# Altium PCB Monitor_Board.PcbDoc (part 1 of 5) (continued)
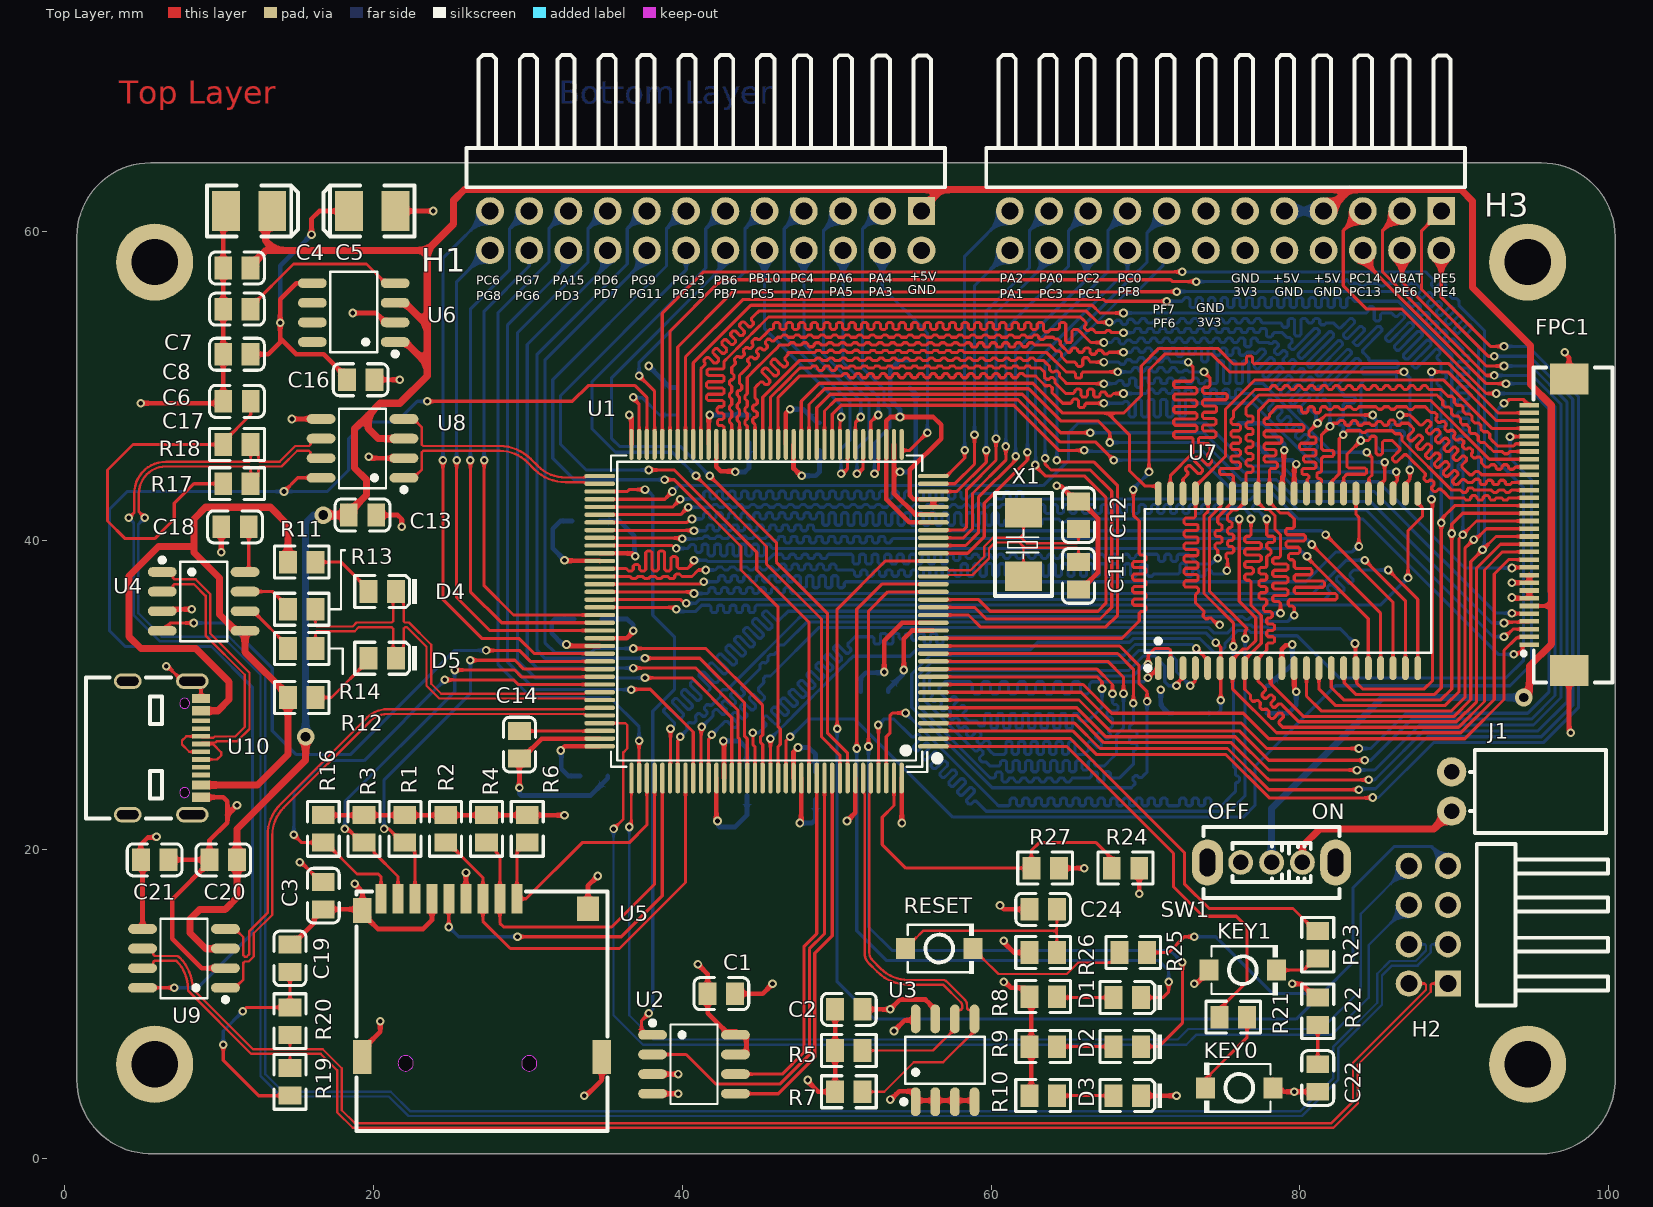
[diagram p0: Top Layer view]
## Footprints (in the part's own frame and the unit in brackets; to place one, negate y for a bottom-side part, rotate by r counter-clockwise, add the part's x,y. Pads: shape width x height; smd on the part's side, far side on the other; paste and mask are expansions set on the pad) (continued)
  oval 2x0.28 smd paste+0 mask+0.051: 37(10.8,-8.75) 38(10.8,-8.25) 39(10.8,-7.75) 40(10.8,-7.25) 41(10.8,-6.75) 42(10.8,-6.25) 43(10.8,-5.75) 44(10.8,-5.25) 45(10.8,-4.75) 46(10.8,-4.25) 47(10.8,-3.75) 48(10.8,-3.25) 49(10.8,-2.75) 50(10.8,-2.25) 51(10.8,-1.75) 52(10.8,-1.25) 53(10.8,-0.75) 54(10.8,-0.25) 55(10.8,0.25) 56(10.8,0.75) 57(10.8,1.25) 58(10.8,1.75) 59(10.8,2.25) 60(10.8,2.75) 61(10.8,3.25) 62(10.8,3.75) 63(10.8,4.25) 64(10.8,4.75) 65(10.8,5.25) 66(10.8,5.75) 67(10.8,6.25) 68(10.8,6.75) 69(10.8,7.25) 70(10.8,7.75) 71(10.8,8.25) 72(10.8,8.75) 109(-10.8,8.75) 110(-10.8,8.25) 111(-10.8,7.75) 112(-10.8,7.25) 113(-10.8,6.75) 114(-10.8,6.25) 115(-10.8,5.75) 116(-10.8,5.25) 117(-10.8,4.75) 118(-10.8,4.25) 119(-10.8,3.75) 120(-10.8,3.25) 121(-10.8,2.75) 122(-10.8,2.25) 123(-10.8,1.75) 124(-10.8,1.25) 125(-10.8,0.75) 126(-10.8,0.25) 127(-10.8,-0.25) 128(-10.8,-0.75) 129(-10.8,-1.25) 130(-10.8,-1.75) 131(-10.8,-2.25) 132(-10.8,-2.75) 133(-10.8,-3.25) 134(-10.8,-3.75) 135(-10.8,-4.25) 136(-10.8,-4.75) 137(-10.8,-5.25) 138(-10.8,-5.75) 139(-10.8,-6.25) 140(-10.8,-6.75) 141(-10.8,-7.25) 142(-10.8,-7.75) 143(-10.8,-8.25) 144(-10.8,-8.75)
  silkscreen extent -10.41,-11.25 10.08,10.08, body extent -11.03,-11.01 10.97,10.99, height 1.4
PM254-1-02-W-8.5 [mm] "2p 弯针"
  round 1.9 hole 1 paste+0 mask+0.05: 1(-1.257,4.793) 2(1.283,4.793)
  silkscreen extent -2.67,-5.21 2.69,3.61, body extent -2.75,-5.15 2.75,5, height 2.5
PZ254-2-04-W-8.5 [mm] "2.54mm 2x4p 弯针"
  rect 1.7x1.7 hole 1.1 paste+0 mask+0.05: 1(-3.279,2.359)
  round 1.7 hole 1.1 paste+0 mask+0.05: 2(-3.279,4.899) 3(-0.739,2.359) 4(-0.739,4.899) 5(1.801,2.359) 6(1.801,4.899) 7(4.341,2.359) 8(4.341,4.899)
  silkscreen extent -4.7,-8 5.76,0.5, body extent -4.57,-7.57 5.6,5.33, height 5
PZ254R-12-24P [mm] "2X12P 弯针"
  round 1.8 hole 1.1: 1(-13.716,-3.476) 2(-11.176,-3.476) 3(-8.636,-3.476) 4(-6.096,-3.476) 5(-3.556,-3.476) 6(-1.016,-3.476) 7(1.524,-3.476) 8(4.064,-3.476) 9(6.604,-3.476) 10(9.144,-3.476) 11(11.684,-3.476) 12(14.224,-3.476) 13(-13.716,-0.936) 14(-11.176,-0.936) 15(-8.636,-0.936) 16(-6.096,-0.936) 17(-3.556,-0.936) 18(-1.016,-0.936) 19(1.524,-0.936) 20(4.064,-0.936) 21(6.604,-0.936) 22(9.144,-0.936) 23(11.684,-0.936)
  rect 1.778x1.8 hole 1.1: 24(14.224,-0.936)
  silkscreen extent -15.24,0.6 15.75,9.17, body extent -15.09,-3.9 15.4,9, height 5
RT9193-33GB [mm] "5vת3v3-LDOоƬ"
  oval 0.63x1.865 smd: 1(-0.734,-2.878) 2(0.536,-2.878) 3(1.806,-2.878) 4(3.076,-2.878) 5(3.076,2.487) 6(1.806,2.487) 7(0.536,2.487)
  oval 0.63x1.865 smd mask+0.102: 8(-0.734,2.487)
  silkscreen extent -1.65,-3.03 3.81,1.33, body extent -1.19,-3.2 3.62,2.8, height 1.67
SS12D07VG3 [mm] "直插拨片开关"
  round 1.6 hole 1: 1(-3.2,0.014) 2(-1.2,0.014) 3(0.8,0.014)
  oval 2x3 hole 1 slot 1.8 at 90 deg: 4(2.95,0.014) 5(-5.35,0.014)
  silkscreen extent -5.6,-2.29 3.2,2.31, body extent -5.67,-2.43 3.13,2.17, height 8.7
SW-SMD_L3.9-W3.0-P4.45 [mm]
  rect 1.23x1.36 smd: 1(-2.185,0) 2(2.185,0)
  silkscreen extent -2.03,-1.62 2.25,1.62, body extent -2.4,-1.45 2.4,1.45, height 1.95
TF-SMD_MR01A-01211 [mm] "SD卡卡座"
  rect 0.7x1.9 smd paste+0 mask+0.051: 1(2.25,5.125) 2(1.15,5.125) 3(0.05,5.125) 4(-1.05,5.125) 5(-2.15,5.125) 6(-3.25,5.125) 7(-4.35,5.125) 8(-5.45,5.125) 9(-6.55,5.125)
  rect 1.2x1.6 smd paste+0 mask+0.051: 10(-7.75,4.375)
  rect 1.2x2.2 smd paste+0 mask+0.051: 11(-7.75,-5.125) 12(7.75,-5.125)
  rect 1.4x1.6 smd paste+0 mask+0.051: 13(6.85,4.475)
  Keep-Out Layer board cut-out: 3.55,-5.527 3.501,-5.31 3.362,-5.137 3.161,-5.04 2.939,-5.04 2.738,-5.137 2.6,-5.31 2.55,-5.527 2.55,-5.527 2.6,-5.744 2.738,-5.918 2.939,-6.015 3.161,-6.015 3.362,-5.918 3.501,-5.744 3.55,-5.527
  Keep-Out Layer board cut-out: -4.45,-5.525 -4.499,-5.308 -4.638,-5.134 -4.839,-5.037 -5.061,-5.037 -5.262,-5.134 -5.4,-5.308 -5.45,-5.525 -5.45,-5.525 -5.4,-5.742 -5.262,-5.916 -5.061,-6.012 -4.839,-6.012 -4.638,-5.916 -4.499,-5.742 -4.45,-5.525
  silkscreen extent -8.13,-9.91 8.13,5.59, body extent -8.13,-9.59 8.02,5.41, height 2.05
TJA1042 [mm]
  oval 0.63x1.865 smd: 1(-1.905,-2.682) 2(-0.635,-2.682) 3(0.635,-2.682) 4(1.905,-2.682) 5(1.905,2.682) 6(0.635,2.682) 7(-0.635,2.682) 8(-1.905,2.682)
  silkscreen extent -2.82,-2.83 2.58,1.52, body extent -2.39,-3 2.42,3, height 1.67
TYPE-C-31-M-14 [mm] "TYPE-C插头"
  oval 1x2.1 hole 0.6 slot 1.7 at 90 deg paste+0 mask+0.05: 1(-4.103,2.57) 4(4.537,2.57)
  oval 1x1.8 hole 0.6 slot 1.4 at 90 deg paste+0 mask+0.05: 2(-4.103,-1.61) 3(4.537,-1.61)
  rect 0.6x1.15 smd paste-100 mask+0.05: A1-B12(-2.983,3.134) A4-B9(-2.183,3.134) B1-A12(3.417,3.134) B4-A9(2.617,3.134)
  rect 0.3x1.15 smd paste-100 mask+0.051: A5(-1.033,3.134) A6(-0.033,3.134) A7(0.467,3.134) A8(1.467,3.134) B5(1.967,3.134) B6(0.967,3.134) B7(-0.533,3.134) B8(-1.533,3.134)
  Keep-Out Layer board cut-out: -2.348,2.069 -2.391,2.232 -2.51,2.351 -2.673,2.395 -2.835,2.351 -2.954,2.232 -2.998,2.07 -2.998,2.07 -2.966,1.929 -2.876,1.815 -2.745,1.753 -2.601,1.753 -2.47,1.815 -2.38,1.928 -2.348,2.069 -2.348,2.069
  Keep-Out Layer board cut-out: 3.432,2.069 3.389,2.232 3.27,2.351 3.107,2.395 2.945,2.351 2.826,2.232 2.782,2.07 2.782,2.07 2.814,1.929 2.904,1.815 3.035,1.753 3.179,1.753 3.31,1.815 3.4,1.928 3.432,2.069 3.432,2.069
  Multi-Layer pour cut-out: -2.348,2.069 -2.391,2.232 -2.51,2.351 -2.673,2.395 -2.835,2.351 -2.954,2.232 -2.998,2.07 -2.998,2.07 -2.966,1.929 -2.876,1.815 -2.745,1.753 -2.601,1.753 -2.47,1.815 -2.38,1.928 -2.348,2.069 -2.348,2.069
  Multi-Layer pour cut-out: 3.432,2.069 3.389,2.232 3.27,2.351 3.107,2.395 2.945,2.351 2.826,2.232 2.782,2.07 2.782,2.07 2.814,1.929 2.904,1.815 3.035,1.753 3.179,1.753 3.31,1.815 3.4,1.928 3.432,2.069 3.432,2.069
  silkscreen extent -4.35,-4.32 4.79,1.21, body extent -4.34,-4.06 4.6,3.84, height 3.2

## Part data
C1 C2 C3 C6 C7 C18 C22 C23 C24 C25 C26 C27 C28 C29 C30 C32 C33: library part "0805 100nF(104) 10% 50V", "贴片电容", Package=0805, SuppliersPartNumber=C49678, ComponentLink1Description=供应商链接, ComponentLink1URL=http://www.szlcsc.com/product/details_50686.html, Supplier=LC
C4 C5: library part "3528 100uF (107) 10% 6.3V", "钽电容", Package=3528, SuppliersPartNumber=C16133, ComponentLink1Description=供应商链接, ComponentLink1URL=http://www.szlcsc.com/product/details_16815.html, Supplier=LC
C8 C9 C10 C13 C16 C17 C19 C20 C21: library part "0805 22nF (223) 10% 50V", "贴片电容", Package=0805, SuppliersPartNumber=C1729, ComponentLink1Description=供应商链接, ComponentLink1URL=http://www.szlcsc.com/product/details_2081.html, Supplier=LC
C11 C12: library part "0805 22pF (220) 5% 50V", "贴片电容", Package=0805, SuppliersPartNumber=C1804, ComponentLink1Description=供应商链接, ComponentLink1URL=http://www.szlcsc.com/product/details_2156.html, Supplier=LC
C14 C15: library part "0805 2.2uF (225) 20% 50V", "贴片电容", Package=0805, SuppliersPartNumber=C49217, ComponentLink1Description=供应商链接, ComponentLink1URL=http://www.szlcsc.com/product/details_50225.html, Supplier=LC
D1 D4: library part "0805 红灯", "发光二极管", Package=0805, SuppliersPartNumber=C2295, ComponentLink1Description=供应商链接, ComponentLink1URL=http://www.szlcsc.com/product/details_2668.html, Supplier=LC
D2 D5: library part "0805 蓝灯", "发光二极管", Package=0805, SuppliersPartNumber=C2293, ComponentLink1Description=供应商链接, ComponentLink1URL=http://www.szlcsc.com/product/details_2666.html, Supplier=LC
D3: library part "0805 翠绿", "发光二极管", Package=0805, SuppliersPartNumber=C2297, ComponentLink1Description=供应商链接, ComponentLink1URL=http://www.szlcsc.com/product/details_2670.html, Supplier=LC
FPC1: JLCPCB Part Class="Extended Part", LCSC Part Name="32P 0.5mm", Manufacturer=XUNPU(讯普), Add into BOM=yes, Convert to PCB=yes, Device=FPC-05F-32PH20, Manufacturer Part=FPC-05F-32PH20, Name=#NAME?, Supplier=LCSC, Supplier Footprint=SMD, Supplier Part=C2856809, Symbol=FPC-05F-32PH20
H1 H3: "2X12P 弯针", Color=黑色, Current Rating (Max)=-, JLCPCB Part Class=扩展库, LCSC Part Name="间距:2.54mm 2x12P 弯插 方针", Manufacturer=XFCN(兴飞), Operating Temperature Range=-40℃~+105℃, Add into BOM=yes, Circluar Pins/Square Pins=方针, Contact Material=黄铜, Contact Plating=-, Convert to PCB=yes, Datasheet=https://atta.szlcsc.com/upload/public/pdf/source/20200309/C492440_7713BEBBF73A70D81BA4F83CA4F38610.pdf, Device=PZ254R-12-24P, Insulation Height=2.5mm, Length of Mating Pin=6mm, Manufacturer Part=PZ254R-12-24P, Mounting Type=弯插, Name=PZ254R-12-24P, Number of Pins=24P, Number of Rows=双排, Pin Structure=2x12P, Pitch=2.54mm, Row Spacing=2.54mm, Supplier=LCSC, Supplier Footprint=弯插,P=2.54mm, Supplier Part=C492440, Symbol=PZ254R-12-24P, Voltage Rating (Max)=-
H2: "2.54mm 2x4p 弯针", Color=黑色, Current Rating (Max)=3A, JLCPCB Part Class=扩展库, LCSC Part Name="2.54mm 2x4P 弯插 方针", Manufacturer=HCTL(华灿天禄), Operating Temperature Range=-40℃~+105℃, Voltage Rating (Max)=-, Add into BOM=yes, Circluar Pins/Square Pins=方针, Contact Material=-, Convert to PCB=yes, Device=PZ254-2-04-W-8.5, Insulation Height=2.5mm, Length of End Connection Pin=-, Length of Mating Pin=6mm, Manufacturer Part=PZ254-2-04-W-8.5, Mounting Type=弯插, Number of Pins=8, Number of Rows=2, Pin Structure=2x4P, Pitch=2.54mm, Row Spacing=2.54mm, Supplier=LCSC, Supplier Footprint=插件,P=2.54mm, Supplier Part=C2894984, Symbol=PZ254-2-04-W-8.5
J1: library part PM254-1-02-W-8.5, "2p弯针", Current Rating (Max)=3A, JLCPCB Part Class=扩展库, LCSC Part Name="间距:2.54mm 1x2P 弯插", Manufacturer=HCTL(华灿天禄), Operating Temperature Range=-40℃~+105℃, Voltage Rating (Max)=-, Add into BOM=yes, Circular Hole / Square Hole=方孔, Convert to PCB=yes, Datasheet=https://atta.szlcsc.com/upload/public/pdf/source/20230609/7BA40A3D721268A082DCDEAD4C99131B.pdf, Device=PM254-1-02-W-8.5, Holes Direction=侧面, Holes Structure=1x2P, Insulation Height=8.5mm, Manufacturer Part=PM254-1-02-W-8.5, Mounting Type=弯插, Number of Holes=2P, Number of Rows=单排, Pitch=2.54mm, Row Spacing=-, Supplier=LCSC, Supplier Footprint=弯插,P=2.54mm, Supplier Part=C2897384, Symbol=PM254-1-02-W-8.5
KEY0 KEY1 RESET: "轻触开关", Actuator/Cap Color=黑色, Contact Current=50mA, Insulation Resistance=100MΩ, JLCPCB Part Class="Extended Part", LCSC Part Name="4*3*2mm 立贴 轻触开关", Manufacturer=XUNPU(讯普), Operating Force=160gf, Operating Temperature=-30℃~+80℃, Voltage Rating (DC)=12V, Actuator Style=圆形按钮, Add into BOM=yes, Circuit=单刀单掷, Convert to PCB=yes, Datasheet=https://atta.szlcsc.com/upload/public/pdf/source/20200810/C720475_60D09DD6C54279ADDB2DC25100F1CC11.pdf, Device=TS-1088-AR02016, Manufacturer Part=TS-1088-AR02016, Mechanical Life=10万次, Mounting Style=立贴, Pin Style=SMD接片, Strike Gundam=不带, Supplier=LCSC, Supplier Footprint=SMD, Supplier Part=C720477, Switch Height=2mm, Switch Length=4mm, Switch Width=3mm, Symbol=TS-1088-AR02016
R1 R2 R3 R4 R6 R16: library part "0805 47KΩ (4702) 1%", "贴片电阻", Package=0805, SuppliersPartNumber=C17713, ComponentLink1Description=供应商链接, ComponentLink1URL=http://www.szlcsc.com/product/details_18401.html, Supplier=LC
R5 R7: library part "0805 4.7KΩ (4701) 1%", "贴片电阻", Package=0805, SuppliersPartNumber=C17673, ComponentLink1Description=供应商链接, ComponentLink1URL=http://www.szlcsc.com/product/details_18361.html, Supplier=LC
R8 R9 R10 R11 R12 R13 R14 R15 R21 R22 R23 R24 R25 R26 R27: library part "0805 510Ω (5100) 1%", "贴片电阻", Package=0805, SuppliersPartNumber=C17734, ComponentLink1Description=供应商链接, ComponentLink1URL=http://www.szlcsc.com/product/details_18422.html, Supplier=LC
R17 R18 R19 R20: library part "0805 120Ω (1200) 1%", "贴片电阻", Package=0805, SuppliersPartNumber=C17437, ComponentLink1Description=供应商链接, ComponentLink1URL=http://www.szlcsc.com/product/details_18125.html, Supplier=LC
SW1: "直插贴片开关", Actuator Color=-, Current Rating (DC)=500mA, JLCPCB Part Class=扩展库, Manufacturer="SHOU HAN(首韩)", Operating Temperature=-10℃~+50℃, Voltage Rating (DC)=50V, Actuator Style=-, Add into BOM=yes, Circuit=单刀双掷, Convert to PCB=yes, Current Rating (AC)=-, Datasheet=https://atta.szlcsc.com/upload/public/pdf/source/20220106/77EDD450BA7545A1F1665F035F54D3A4.pdf, Device="SS12D07VG3 087", LCSC Part Name="SS12D07VG3 087", Manufacturer Part="SS12D07VG3 087", Mechanical Life=5千次, Mounting Style=立插, Pin Style=PC引脚, Supplier=LCSC, Supplier Footprint=插件, Supplier Part=C2939725, Switch Height=4.7mm, Switch Length=8.7mm, Switch Width=4.4mm, Symbol="SS12D07VG3 087", Voltage Rating (AC)=-
U1: "STM32F407ZGT6MCU", JLCPCB Part Class="Extended Part", LCSC Part Name="ARM Cortex-M4 168MHz 闪存：1MB RAM：192KB", Manufacturer=ST(意法半导体), Maximum Frequency=168MHz, Operating Temperature Range=-40℃~+85℃, Supply Voltage Range=1.8V~3.6V, ADC (Units/Channels/bits)=1@x24ch/12bit, Add into BOM=yes, Convert to PCB=yes, CPU Core="ARM Cortex-M4", DAC (Units/Channels/bits)=1@x2ch/12bit, Datasheet=https://atta.szlcsc.com/upload/public/pdf/source/20140724/1457707162528.pdf, Device=STM32F407ZGT6, EEPROM/Data FLASH Size=-, GPIO Ports Number=114, Internal Oscillator=有, Manufacturer Part=STM32F407ZGT6, Name=STM32F407ZGT6, Peripherals / Functions / Protocol Stacks=欠压检测/复位；DMA；LCD驱动；看门狗；POR；PWM, Program FLASH Size=1MB, RAM Size=192KB, Supplier=LCSC, Supplier Footprint=LQFP-144(20x20), Supplier Part=C19156, Symbol=STM32F407ZGT6
U2: library part W25Q128JVSIQTR_[C97521], "Flash ROM", Package=SOIC-8, SuppliersPartNumber=C97521, ComponentLink1Description=供应商链接, ComponentLink1URL=https://item.szlcsc.com/98729.html, Supplier=LC
U3: library part EEPROM/AT24C256C-SSHL-T_[C6482], "EEPROM", Package=SOIC-8_150mil, SuppliersPartNumber=C6482, ComponentLink1Description=供应商链接, ComponentLink1URL=http://www.szlcsc.com/product/details_6947.html, Supplier=LC
U4: "TTL串口phy", Designer=U?, Device=CH340N_C2977777, Symbol=CH340N_C2977777
U5: JLCPCB Part Class="Extended Part", Manufacturer=ATOM(爱特姆), Operating Temperature Range=-25℃~+85℃, Add into BOM=yes, Card Connection Mode=自弹式, Card Type=MicroSD卡(TF卡), Connector Type=卡座, Convert to PCB=yes, Datasheet=https://atta.szlcsc.com/upload/public/pdf/source/20200107/C479742_0284EDD146B0D8F7A9D47B481AEA01A2.pdf, Device=MR01A-01211, LCSC Part Name=MR01A-01211, Manufacturer Part=MR01A-01211, Maximum Body Height=1.85mm, Name=#NAME?, Supplier=LCSC, Supplier Footprint=SMD, Supplier Part=C479742, Symbol=MR01A-01211
U7: library part XM8A51216V33A, "外接SRAM芯片"
U8 U9: JLCPCB Part Class="Extended Part", LCSC Part Name=TJA1042T, Manufacturer=Tokmas(托克马斯), Add into BOM=yes, Convert to PCB=yes, Datasheet=https://atta.szlcsc.com/upload/public/pdf/source/20230625/BF864921860ECC2FF6AF6AEDC281998F.pdf, Device=TJA1042T_C7432799, link=https://atta.szlcsc.com/upload/public/pdf/source/20230621/7AB02851301655B02FC6140105FC6246.pdf, Manufacturer Part=TJA1042T, Name=#NAME?, Supplier=LCSC, Supplier Footprint=SOP-8, Supplier Part=C7432799, Symbol=TJA1042T_C7432799
U10: library part TYPE-C-31-M-14_1, "type-c接口", JLCPCB Part Class="Extended Part", Manufacturer=韩国韩荣, Add into BOM=yes, Connector Type=Type-C, Convert to PCB=yes, Datasheet=https://atta.szlcsc.com/upload/public/pdf/source/20210810/33D192CE742AF71F47CC03F903000C62.pdf, Device=TYPE-C-31-M-14, Gender=母座, LCSC Part Name=TYPE-C-31-M-14, Manufacturer Part=TYPE-C-31-M-14, Name=#NAME?, Number of Contacts=12, Number of Ports=1, Standard=-, Supplier=LCSC, Supplier Footprint=SMD, Supplier Part=C223907, Symbol=TYPE-C-31-M-14
X1: library part X50328MSB2GI, "贴片晶振", Frequency Stability=±50ppm, Frequency Tolerance=±10ppm, LCSC Part Name="8MHz ±10ppm 20pF YSX530GA YSX530GA", Load Capacitance=20pF, Manufacturer=YXC(扬兴晶振), Operating Temperature=-40℃~+85℃, Add into BOM=yes, Convert to PCB=yes, Crystal Type=贴片无源晶振, Datasheet=https://atta.szlcsc.com/upload/public/pdf/source/20230220/0EBFFB9D6D8CE6A211407822BBB6C516.pdf, Device=X50328MSB2GI, Manufacturer Part=X50328MSB2GI, Name=8MHz, Supplier=LCSC, Supplier Footprint=SMD5032-2P, Supplier Part=C115962, Symbol=X50328MSB2GI

## Free pads (board coordinates)
  round 5 / inner round 2.5 / far side round 2.5 hole 3: 2(5.842,6.096) 2(5.842,58.039) 2(94.742,6.096) 2(94.742,58.039)

## Via types
v1: diameter 0.559, hole 0.305, Top Layer to Bottom Layer, tented both sides, 240 vias
v2: diameter 1.143, hole 0.635, Top Layer to Bottom Layer, tented both sides, 2 vias
v3: diameter 1.143, hole 0.61, Top Layer to Bottom Layer, tented both sides, 1 vias
v4: diameter 0.559/0.559 (per signal layer), hole 0.305, Top Layer to Bottom Layer, tented both sides, 1 vias

## Nets (pads, with @x,y where several pads share a name; then routed paths per layer and width w, separated by ;. In a path a pad name is that pad's centre, name@x,y a point inside that pad or via, vN(x,y) a via of type N, cw(c..) or ccw(c..) an arc to the next point about the centre after c; other vN are vias at no path point)
+5: C4.1 C7.2 C13.1 C20.1 FPC1.6 H1.24 H3.20 H3.21 SW1.2 U6.1 U6.3 U8.3 U9.3 | length 216.9
  Top Layer w0.203: FPC1.6@94.851,35.771 96.075,35.771
  Top Layer w0.457: U9.3@10.429,13.589 9.144,13.589 8.128,14.605 8.128,15.494 8.763,16.129 10.414,16.129 11.176,16.891 11.176,21.336 15.621,25.781 v2(15.621,27.305) ; C7.2@12.065,57.658 12.065,57.813 13.053,58.801 13.668,58.801 ; C4.1@13.033,61.341 13.033,59.436 13.668,58.801 ; v2(16.764,41.656) 18.258,41.656 19.558,42.956 19.558,43.942 18.796,44.704 18.796,47.244 19.685,48.133 ; U6.1@21.42,52.86 22.07,52.86 23.495,51.435 ; U6.3@21.42,55.4 22.037,55.4 23.495,53.942 ; U8.3@21.986,46.609 20.32,46.609 19.685,47.244 19.685,48.133 ; H1.24@55.499,61.468 56.769,62.738 ; H3.21@81.153,61.341 H3.21@81.407,61.341 ; H3.21@81.788,61.341 83.185,62.738 ; v3(94.488,29.845) 94.869,30.226 94.869,31.877 96.288,33.296 96.288,35.983 ; 96.075,35.771 96.288,35.983 ; 13.668,58.801 23.495,58.801 ; 19.685,48.133 20.447,48.895 21.717,48.895 23.495,50.673 23.495,51.435 ; 23.495,51.435 23.495,53.942 ; 23.495,53.942 23.495,58.801 ; 23.495,58.801 25.209,60.515 25.209,62.039 25.908,62.738 56.769,62.738 ; 56.769,62.738 83.185,62.738 ; 83.185,62.738 90.424,62.738 91.186,61.976 91.186,56.388 94.936,52.638 94.936,50.105 96.274,48.768 96.274,36.695 96.288,36.681 96.288,35.983
  Bottom Layer w0.457: v2(15.621,27.305) 15.621,41.148 16.129,41.656 v2(16.764,41.656) ; SW1.2@78.162,19.163 78.162,22.663 85.344,29.845 v3(94.488,29.845) ; H3.20@78.613,61.341 H3.20@78.994,61.341 H3.21@81.153,61.341
CAN1_N: U1.104 U9.1 | length 36.6
  Top Layer w0.152: U9.1@10.429,11.049 11.047,11.049 11.591,11.593 11.591,12.66 11.68,12.749 11.932,12.749 12.267,13.084 12.267,14.576 13.462,15.771 13.462,20.919 cw(c16.002,20.919) 14.206,22.715 19.812,28.321 cw(c20.922,27.211) 20.922,28.781 33.605,28.781 cw(c33.605,28.614) 33.723,28.732 ccw(c33.84,28.85) 33.84,28.683 U1.104@34.666,28.683
CAN1_P: U1.103 U9.4 | length 36.6
  Top Layer w0.152: U9.4@10.429,14.859 11.047,14.859 11.591,14.315 11.591,13.143 11.68,13.054 11.806,13.054 11.963,13.211 11.963,14.703 13.157,15.897 13.157,20.92 cw(c15.998,20.92) 13.989,22.929 19.597,28.537 cw(c20.921,27.214) 20.921,29.085 33.605,29.085 ccw(c33.605,29.252) 33.723,29.134 cw(c33.84,29.016) 33.84,29.183 U1.103@34.666,29.183
CAN1HL_N: H2.2 R20.1 U9.6 | length 97.5
  Top Layer w0.152: U9.6@5.065,13.589 5.376,13.589 cw(c5.376,13.212) 5.642,13.479 5.692,13.429 cw(c5.544,13.282) 5.753,13.282 5.753,13.259 ccw(c5.905,13.259) 5.797,13.151 ccw(c5.905,13.259) 5.905,13.106 7.24,13.106 cw(c7.24,12.805) 7.454,13.018 7.475,12.997 cw(c5.469,10.991) 8.306,10.991 12.223,7.074 14.516,7.074 ; R20.1@14.605,8.001 14.605,7.163 14.516,7.074 ; H2.2@87.049,11.326 88.077,11.326 88.167,11.237 88.167,10.918 83.439,6.191 83.439,3.683 82.042,2.286 18.796,2.286 17.964,3.118 17.964,5.835 16.725,7.074 14.516,7.074
CAN1HL_P: H2.1 R19.2 U9.7 | length 98
  Top Layer w0.152: U9.7@5.065,12.319 5.376,12.319 ccw(c5.376,12.696) 5.642,12.429 5.692,12.479 ccw(c5.544,12.626) 5.753,12.626 5.753,12.649 cw(c5.905,12.649) 5.797,12.757 cw(c5.905,12.649) 5.905,12.802 7.239,12.802 7.257,12.784 cw(c5.461,10.987) 8.001,10.987 8.001,10.865 12.097,6.769 14.516,6.769 ; R19.2@14.605,5.842 14.605,6.68 14.516,6.769 ; H2.1@89.589,11.326 88.561,11.326 88.471,11.237 88.471,10.792 83.744,6.065 83.744,3.557 82.168,1.981 18.67,1.981 17.659,2.992 17.659,5.709 16.599,6.769 14.516,6.769
CAN2_N: U1.74 U8.1 | length 14.7
  Top Layer w0.152: U8.1@21.986,44.069 22.604,44.069 23.148,44.613 23.148,45.732 23.237,45.822 28.183,45.822 cw(c28.183,43.282) 29.979,45.078 30.444,44.613 ccw(c32.454,46.623) 32.454,43.781 33.605,43.781 cw(c33.605,43.614) 33.723,43.732 ccw(c33.84,43.85) 33.84,43.683 U1.74@34.666,43.683
CAN2_P: U1.73 U8.4 | length 14.7
  Top Layer w0.152: U8.4@21.986,47.879 22.604,47.879 23.148,47.335 23.148,46.216 23.237,46.126 28.185,46.126 cw(c28.185,43.285) 30.194,45.294 30.659,44.829 ccw(c32.455,46.625) 32.455,44.085 33.605,44.085 ccw(c33.605,44.252) 33.723,44.134 cw(c33.84,44.016) 33.84,44.183 U1.73@34.666,44.183
CAN2HL_N: H2.3 R18.1 U8.6 | length 144.9
  Top Layer w0.152: v1@4.149,41.484 v1(4.171,41.484) 4.184,41.484 4.521,41.822 4.521,43.053 cw(c6.579,43.053) 6.579,45.11 11.976,45.11 12.065,45.2 R18.1@12.065,46.228 12.569,45.724 12.569,45.2 12.658,45.11 13.935,45.11 14.951,46.126 15.844,46.126 15.933,46.216 15.933,46.388 16.154,46.609 U8.6@16.622,46.609
  Bottom Layer w0.152: v1(4.171,41.484) 4.483,41.173 4.483,35.18 6.186,33.477 10.542,33.477 12.7,31.319 12.7,5.335 14.022,4.013 21.006,4.013 22.276,2.743 80.136,2.743 82.474,5.081 82.474,7.113 85.317,9.956 85.317,11.835 85.965,12.483 87.622,12.483 88.471,13.332 88.471,13.777 88.561,13.866 H2.3@89.589,13.866
CAN2HL_P: H2.4 R17.2 U8.7 | length 143.5
  Top Layer w0.152: v1(5.213,41.487) v1(5.213,41.487) 4.826,41.876 4.826,43.053 cw(c6.579,43.053) 6.579,44.806 11.976,44.806 12.065,44.716 R17.2@12.065,43.688 12.569,44.192 12.569,44.716 12.658,44.806 14.061,44.806 15.077,45.822 15.844,45.822 15.933,45.732 15.933,45.56 16.154,45.339 U8.7@16.622,45.339
  Bottom Layer w0.152: v1(5.213,41.487) 4.788,41.062 4.788,35.306 6.312,33.782 10.668,33.782 10.97,33.48 13.005,31.445 13.005,5.461 14.148,4.318 21.132,4.318 22.402,3.048 80.01,3.048 82.169,5.207 82.169,7.239 85.013,10.083 85.013,11.961 85.839,12.788 87.496,12.788 88.167,13.458 88.167,13.777 88.077,13.866 H2.4@87.049,13.866
CAN_STB: U1.70 U8.8 U9.8 | length 88.6
  Top Layer w0.203: U9.8@5.065,11.049 v1(7.112,11.049) ; v1(14.224,43.18) 15.113,44.069 U8.8@16.622,44.069 ; v1(23.495,49.022) 32.893,49.022 33.909,50.038 36.954,50.038 37.716,49.276 U1.70@37.716,46.233
  Bottom Layer w0.203: v1(7.112,11.049) 8.636,11.049 12.192,14.605 12.192,30.48 9.525,33.147 3.937,33.147 2.921,34.163 2.921,42.037 4.064,43.18 v1(14.224,43.18) 17.018,43.18 18.415,44.577 18.415,46.609 19.494,47.688 21.526,47.688 22.86,49.022 v1(23.495,49.022)
DC_5V: J1.1 SW1.1 | length 11.7
  Top Layer w0.457: SW1.1@80.162,19.163 80.162,20.218 81.28,21.336 88.666,21.336 J1.1@89.822,22.492
EEPROM_N: R7.1 U1.140 U3.5 | length 30
  Top Layer w0.152: R7.1@51.689,4.318 53.086,4.318 54.991,6.223 56.896,6.223 58.928,8.255 58.928,9.352 58.719,9.561 ccw(c58.613,9.454) 58.613,9.605 cw(c58.613,9.756) 58.506,9.649 58.498,9.657 cw(c58.624,9.783) 58.445,9.783 58.445,9.922 ccw(c57.933,9.922) 58.295,10.284 ; U1.140@52.216,24.633 52.216,23.807 cw(c52.049,23.807) 52.167,23.69 ccw(c52.285,23.572) 52.118,23.572 52.118,13.323 ccw(c52.82,13.323) 52.324,12.827 52.85,12.301 ccw(c54.646,14.097) 54.646,11.557 56.897,11.557 cw(c56.897,11.255) 57.111,11.469 58.295,10.284
EEPROM_P: R5.1 U1.139 U3.6 | length 27.5
  Top Layer w0.152: R5.1@51.69,6.985 56.243,6.985 57.658,8.4 57.658,8.95 57.658,9.057 cw(c58.371,9.057) 57.658,9.058 cw(c58.371,9.057) 57.865,9.559 cw(c58.371,9.057) 57.867,9.561 cw(c57.973,9.454) 57.973,9.605 ccw(c57.973,9.756) 58.08,9.649 ; U1.139@51.716,24.633 51.716,23.807 ccw(c51.883,23.807) 51.765,23.69 cw(c51.647,23.572) 51.814,23.572 51.814,13.322 ccw(c52.817,13.322) 52.107,12.613 52.635,12.085 ccw(c54.645,14.094) 54.645,11.252 56.896,11.252 58.035,10.113 cw(c57.781,9.859) 58.141,9.859 58.141,9.783 cw(c57.962,9.783) 58.088,9.657 58.08,9.649
flash_cs: U1.75 U2.1 | length 40
  Top Layer w0.203: U1.75@34.666,43.183 36.449,43.183 36.573,43.307 v1(37.592,43.307) ; U2.1@37.367,8.001 37.367,8.919 v1(37.846,9.398)
  Bottom Layer w0.203: v1(37.592,43.307) 37.719,43.307 38.1,42.926 38.1,35.179 39.497,33.782 39.497,30.353 38.1,28.956 38.1,9.652 v1(37.846,9.398)
flash_miso: U1.134 U2.2 | length 30.8
  Top Layer w0.203: U2.2@37.367,6.731 40.259,6.731 42.164,4.826 46.35,4.826 48.235,6.711 48.235,13.569 49.216,14.55 U1.134@49.216,24.633
flash_mosi: U1.135 U2.5 | length 23.9
  Top Layer w0.203: U2.5@44.167,4.191 46.228,4.191 48.514,6.477 48.514,6.487 48.59,6.563 48.59,13.284 49.716,14.41 U1.135@49.716,24.633
flash_sck: U1.133 U2.6 | length 22.4
  Top Layer w0.203: U2.6@44.167,5.461 46.482,5.461 47.879,6.858 47.879,13.716 48.716,14.553 U1.133@48.716,24.633
FPC_LCD_D0: FPC1.27 U1.85 U7.38 | length 106.1
  Top Layer w0.203: U1.85@34.666,38.183 34.681,38.198 35.819,38.198 36.022,38.198 36.371,38.198 36.428,38.14 36.53,38.039 36.733,38.039 36.835,38.14 36.835,38.198 36.835,38.354 36.936,38.456 37.139,38.456 37.241,38.354 37.241,38.198 37.241,38.14 37.343,38.039 37.546,38.039 37.647,38.14 37.647,38.198 37.647,39.226 37.749,39.327 37.952,39.327 38.054,39.226 38.054,38.198 38.054,38.14 38.155,38.039 38.359,38.039 38.46,38.14 38.46,38.198 38.46,39.226 38.562,39.327 38.765,39.327 38.867,39.226 38.867,38.198 38.867,38.14 38.968,38.039 39.171,38.039 39.273,38.14 39.273,38.198 39.273,38.864 39.375,38.966 39.578,38.966 39.679,38.864 39.679,38.299 39.781,38.198 40.086,38.198 40.357,38.198 40.767,38.608 v1(40.767,38.735) ; v1(74.676,38.862) 74.676,39.243 74.676,39.37 74.6,39.446 74.498,39.548 74.498,39.751 74.6,39.853 74.676,39.853 74.86,39.853 74.961,39.954 74.961,40.157 74.86,40.259 74.676,40.259 74.6,40.259 74.498,40.361 74.498,40.564 74.6,40.665 74.676,40.665 74.86,40.665 74.961,40.767 74.961,40.97 74.86,41.072 74.778,41.072 74.676,41.173 74.676,41.478 74.676,41.524 74.806,41.653 75.692,42.54 75.692,44.069 75.692,44.171 75.59,44.272 74.899,44.272 74.798,44.374 74.798,44.577 74.899,44.679 75.692,44.679 76.051,44.679 76.153,44.78 76.153,44.983 76.051,45.085 75.692,45.085 75.633,45.085 75.531,45.187 75.531,45.39 75.633,45.491 75.692,45.491 76.051,45.491 76.153,45.593 76.153,45.796 76.051,45.898 75.692,45.898 75.641,45.898 75.54,45.999 75.54,46.203 75.641,46.304 75.692,46.304 76.051,46.304 76.153,46.406 76.153,46.609 76.051,46.711 75.692,46.711 75.641,46.711 75.54,46.812 75.54,47.015 75.641,47.117 75.692,47.117 76.051,47.117 76.153,47.219 76.153,47.422 76.051,47.523 75.692,47.523 75.641,47.523 75.54,47.625 75.54,47.828 75.641,47.93 75.692,47.981 75.692,48.336 75.692,48.387 75.755,48.45 77.089,49.784 77.292,49.784 77.699,49.784 78.003,49.784 78.105,49.886 78.105,49.936 78.207,50.038 78.41,50.038 78.511,49.936 78.511,49.886 78.613,49.784 78.816,49.784 78.918,49.886 78.918,49.936 79.019,50.038 79.223,50.038 79.324,49.936 79.324,49.886 79.426,49.784 79.629,49.784 79.731,49.886 79.731,49.936 79.832,50.038 80.035,50.038 80.137,49.936 80.137,49.886 80.239,49.784 80.442,49.784 80.543,49.886 80.543,49.936 80.645,50.038 80.848,50.038 80.95,49.936 80.95,49.886 81.051,49.784 81.255,49.784 81.356,49.886 81.356,49.936 81.458,50.038 81.661,50.038 81.763,49.936 81.763,49.886 81.864,49.784 82.067,49.784 82.169,49.886 82.169,49.936 82.271,50.038 82.474,50.038 82.575,49.936 82.575,49.886 82.677,49.784 82.88,49.784 82.982,49.886 82.982,49.936 83.083,50.038 83.287,50.038 83.388,49.936 83.388,49.886 83.49,49.784 83.693,49.784 83.795,49.886 83.795,49.936 83.896,50.038 84.099,50.038 84.201,49.936 84.201,49.886 84.303,49.784 84.506,49.784 84.607,49.886 84.607,49.936 84.709,50.038 84.912,50.038 85.014,49.936 85.014,49.886 85.115,49.784 85.319,49.784 85.42,49.886 85.42,49.936 85.522,50.038 85.725,50.038 85.827,49.936 85.827,49.886 85.928,49.784 86.131,49.784 86.233,49.886 86.233,49.936 86.335,50.038 86.538,50.038 86.639,49.936 86.639,49.886 86.741,49.784 86.944,49.784 87.046,49.886 87.046,49.936 87.147,50.038 87.351,50.038 87.452,49.936 87.452,49.886 87.554,49.784 87.757,49.784 87.859,49.886 87.859,49.936 87.96,50.038 88.163,50.038 88.265,49.936 88.265,49.886 88.367,49.784 88.671,49.784 89.078,49.784 89.154,49.784 89.408,49.53 89.592,49.346 89.707,49.346 89.851,49.346 89.995,49.202 89.995,49.059 89.995,48.943 90.167,48.771 90.282,48.771 90.426,48.771 90.569,48.628 90.569,48.484 90.569,48.369 90.741,48.197 90.857,48.197 91,48.197 91.144,48.053 91.144,47.909 91.144,47.794 91.316,47.622 91.432,47.622 91.575,47.622 91.719,47.478 91.719,47.335 91.719,47.219 91.891,47.047 92.006,47.047 92.15,47.047 92.294,46.904 92.294,46.76 92.294,46.644 92.523,46.415 92.667,46.271 92.825,46.127 93.835,46.127 93.98,46.271 FPC1.27@94.851,46.271
  Bottom Layer w0.203: v1(40.767,38.735) 41.559,38.735 41.636,38.659 45.466,38.659 45.923,39.116 46.127,39.116 46.431,39.116 46.533,39.014 46.533,38.937 46.635,38.836 46.838,38.836 46.939,38.937 46.939,39.014 47.041,39.116 47.244,39.116 47.346,39.014 47.346,38.937 47.447,38.836 47.651,38.836 47.752,38.937 47.752,39.014 47.854,39.116 48.057,39.116 48.159,39.014 48.159,38.937 48.26,38.836 48.463,38.836 48.565,38.937 48.565,39.014 48.667,39.116 48.87,39.116 48.971,39.014 48.971,38.937 49.073,38.836 49.276,38.836 49.378,38.937 49.378,39.014 49.479,39.116 49.784,39.116 49.911,39.116 50.444,39.116 ; 50.457,39.116 50.66,39.116 50.965,39.116 51.067,39.014 51.067,38.583 51.168,38.481 51.371,38.481 51.473,38.583 51.473,39.014 51.575,39.116 51.778,39.116 51.88,39.014 51.88,38.583 51.981,38.481 52.184,38.481 52.286,38.583 52.286,39.014 52.387,39.116 52.591,39.116 52.692,39.014 52.692,38.583 52.794,38.481 52.997,38.481 53.099,38.583 53.099,39.014 53.2,39.116 53.404,39.116 53.505,39.014 53.505,38.583 53.607,38.481 53.81,38.481 53.911,38.583 53.911,39.014 54.013,39.116 54.216,39.116 54.318,39.014 54.318,38.583 54.419,38.481 54.623,38.481 54.724,38.583 54.724,39.014 54.826,39.116 55.029,39.116 55.131,39.014 55.131,38.583 55.232,38.481 55.435,38.481 55.537,38.583 55.537,39.014 55.639,39.116 55.842,39.116 55.944,39.014 55.944,38.583 56.045,38.481 56.248,38.481 56.35,38.583 56.35,39.014 56.451,39.116 56.655,39.116 56.756,39.014 56.756,38.583 56.858,38.481 57.061,38.481 57.163,38.583 57.163,39.014 57.264,39.116 57.468,39.116 57.569,39.014 57.569,38.819 57.671,38.717 57.874,38.717 57.975,38.819 57.975,39.014 58.077,39.116 58.28,39.116 58.382,39.014 58.382,38.945 58.483,38.843 58.687,38.843 58.788,38.945 58.788,39.014 58.89,39.116 59.093,39.116 59.195,39.014 59.195,38.945 59.296,38.843 59.499,38.843 59.601,38.945 59.601,39.014 59.703,39.116 59.906,39.116 60.008,39.014 60.008,38.953 60.109,38.851 60.312,38.851 60.414,38.953 60.414,39.014 60.515,39.116 60.719,39.116 60.82,39.014 60.82,38.945 60.922,38.843 61.125,38.843 61.227,38.945 61.227,39.014 61.328,39.116 61.531,39.116 61.633,39.014 61.633,38.945 61.735,38.843 61.938,38.843 62.039,38.945 62.039,39.014 62.141,39.116 62.344,39.116 62.446,39.014 62.446,38.945 62.547,38.843 62.751,38.843 62.852,38.945 62.852,39.014 62.954,39.116 63.157,39.116 63.259,39.014 63.259,38.945 63.36,38.843 63.563,38.843 63.665,38.945 63.665,39.014 63.767,39.116 63.97,39.116 64.072,39.014 64.072,38.945 64.173,38.843 64.376,38.843 64.478,38.945 64.478,39.014 64.579,39.116 64.783,39.116 64.884,39.014 64.884,38.945 64.986,38.843 65.189,38.843 65.291,38.945 65.291,39.014 65.392,39.116 65.596,39.116 65.697,39.014 65.697,38.945 65.799,38.843 66.002,38.843 66.103,38.945 66.103,39.014 66.205,39.116 66.408,39.116 66.51,39.014 66.51,38.945 66.611,38.843 66.815,38.843 66.916,38.945 66.916,39.014 67.018,39.116 67.221,39.116 67.323,39.014 67.323,38.945 67.424,38.843 67.627,38.843 67.729,38.945 67.729,39.014 67.831,39.116 68.034,39.116 68.135,39.014 68.135,38.945 68.237,38.843 68.44,38.843 68.542,38.945 68.542,39.014 68.644,39.116 68.847,39.116 68.948,39.014 68.948,38.945 69.05,38.843 69.253,38.843 69.355,38.945 69.355,39.014 69.456,39.116 69.723,39.116 70.231,39.116 70.434,39.116 70.739,39.116 70.841,39.014 70.841,38.76 70.942,38.659 71.145,38.659 71.247,38.76 71.247,39.014 71.349,39.116 71.552,39.116 71.653,39.014 71.653,38.76 71.755,38.659 71.958,38.659 72.06,38.76 72.06,39.014 72.161,39.116 72.517,39.116 72.771,39.116 73.025,38.862 ; 73.215,38.672 73.025,38.862 ; v1(74.676,38.862) 74.612,38.862 74.231,38.481 73.406,38.481 73.025,38.862
FPC_LCD_D1: FPC1.26 U1.86 U7.37 | length 110.4
  Top Layer w0.203: U1.86@34.666,37.683 36.068,37.683 36.271,37.683 36.635,37.683 36.678,37.64 36.779,37.539 36.982,37.539 37.084,37.64 37.127,37.683 37.448,37.683 37.49,37.64 37.592,37.539 37.795,37.539 37.897,37.64 37.94,37.683 38.26,37.683 38.303,37.64 38.405,37.539 38.608,37.539 38.71,37.64 38.752,37.683 39.073,37.683 39.116,37.64 39.218,37.539 39.421,37.539 39.522,37.64 39.522,37.683 39.522,37.741 39.624,37.842 39.827,37.842 39.929,37.741 39.986,37.683 40.335,37.683 40.386,37.683 40.635,37.683 41.052,38.1 v1(41.529,38.1) ; v1@75.317,38.1 75.317,38.597 75.317,38.793 75.309,38.8 75.208,38.902 75.208,39.105 75.309,39.207 75.317,39.207 75.616,39.207 75.717,39.308 75.717,39.512 75.616,39.613 75.419,39.613 75.317,39.715 75.317,39.918 75.419,40.02 75.616,40.02 75.717,40.121 75.717,40.324 75.616,40.426 75.419,40.426 75.317,40.528 75.317,40.731 75.419,40.832 75.508,40.832 75.61,40.934 75.61,41.137 75.508,41.239 75.419,41.239 75.317,41.34 75.317,41.645 75.317,41.662 75.374,41.719 75.629,41.974 75.9,41.974 76.348,42.422 U7.37@76.45,42.422 ; U7.37@76.428,43.053 76.428,42.444 U7.37@76.45,42.422 ; U7.37@76.454,42.418 U7.37@76.45,42.422 ; U7.37@76.508,43.053 76.508,43.815 76.508,44.018 76.508,44.323 76.61,44.425 76.868,44.425 76.969,44.526 76.969,44.729 76.868,44.831 76.61,44.831 76.508,44.933 76.508,45.136 76.61,45.237 76.868,45.237 76.969,45.339 76.969,45.542 76.868,45.644 76.61,45.644 76.508,45.745 76.508,45.949 76.61,46.05 76.868,46.05 76.969,46.152 76.969,46.355 76.868,46.457 76.61,46.457 76.508,46.558 76.508,46.761 76.61,46.863 76.868,46.863 76.969,46.965 76.969,47.168 76.868,47.269 76.61,47.269 76.508,47.371 76.508,47.574 76.61,47.676 76.868,47.676 76.969,47.777 76.969,47.981 76.868,48.082 76.61,48.082 76.508,48.184 76.508,48.489 76.508,48.514 76.508,48.594 77.278,49.364 77.343,49.428 88.875,49.428 89.018,49.285 89.248,49.055 89.248,48.94 89.248,48.796 89.392,48.652 89.535,48.652 89.651,48.652 89.823,48.48 89.823,48.365 89.823,48.221 89.966,48.078 90.11,48.078 90.225,48.078 90.397,47.906 90.397,47.79 90.397,47.646 90.541,47.503 90.685,47.503 90.8,47.503 90.972,47.331 90.972,47.215 90.972,47.072 91.116,46.928 91.259,46.928 91.375,46.928 91.547,46.756 91.547,46.641 91.547,46.497 91.691,46.353 91.834,46.353 91.95,46.353 92.179,46.124 92.266,46.038 92.532,45.771 92.735,45.771 93.099,45.771 93.142,45.728 93.243,45.627 93.446,45.627 93.548,45.728 93.591,45.771 93.692,45.771 FPC1.26@94.851,45.771
  Bottom Layer w0.203: v1(41.529,38.1) 42.037,38.1 42.139,38.1 42.24,38.202 42.342,38.303 42.545,38.303 42.647,38.202 42.748,38.1 42.951,38.1 43.053,38.202 43.155,38.303 43.358,38.303 43.459,38.202 43.561,38.1 43.764,38.1 43.866,38.202 43.967,38.303 44.171,38.303 44.272,38.202 44.374,38.1 44.577,38.1 44.679,38.202 44.78,38.303 44.983,38.303 45.085,38.202 45.187,38.1 45.39,38.1 45.491,38.202 45.491,38.225 45.593,38.327 45.796,38.327 45.898,38.225 45.898,38.202 45.999,38.1 46.101,38.1 46.203,38.1 46.304,38.202 46.304,38.379 46.406,38.481 46.609,38.481 46.711,38.379 46.711,38.202 46.812,38.1 47.015,38.1 47.117,38.202 47.117,38.379 47.219,38.481 47.422,38.481 47.523,38.379 47.523,38.202 47.625,38.1 47.828,38.1 47.93,38.202 47.93,38.379 48.031,38.481 48.235,38.481 48.336,38.379 48.336,38.202 48.438,38.1 48.641,38.1 48.743,38.202 48.743,38.379 48.844,38.481 49.047,38.481 49.149,38.379 49.149,38.202 49.251,38.1 49.454,38.1 49.555,38.202 49.555,38.379 49.657,38.481 49.86,38.481 49.962,38.379 49.962,38.202 50.063,38.1 50.368,38.1 50.546,38.1 50.749,38.1 51.054,38.1 51.156,37.998 51.156,37.795 51.257,37.694 51.46,37.694 51.562,37.795 51.562,37.998 51.664,38.1 51.867,38.1 51.968,37.998 51.968,37.795 52.07,37.694 52.273,37.694 52.375,37.795 52.375,37.998 52.476,38.1 52.68,38.1 52.781,37.998 52.781,37.795 52.883,37.694 53.086,37.694 53.188,37.795 53.188,37.998 53.289,38.1 53.492,38.1 53.594,37.998 53.594,37.795 53.696,37.694 53.899,37.694 54,37.795 54,37.998 54.102,38.1 54.305,38.1 54.407,37.998 54.407,37.795 54.508,37.694 54.712,37.694 54.813,37.795 54.813,37.998 54.915,38.1 55.118,38.1 55.22,37.998 55.22,37.795 55.321,37.694 55.524,37.694 55.626,37.795 55.626,37.998 55.728,38.1 55.931,38.1 56.032,37.998 56.032,37.795 56.134,37.694 56.337,37.694 56.439,37.795 56.439,37.998 56.54,38.1 56.744,38.1 56.845,37.998 56.845,37.795 56.947,37.694 57.15,37.694 57.252,37.795 57.252,37.998 57.353,38.1 57.556,38.1 57.658,37.998 57.658,37.795 57.76,37.694 57.963,37.694 58.064,37.795 58.064,38.1 58.064,38.405 58.166,38.506 58.369,38.506 58.471,38.405 58.471,38.1 58.471,37.795 58.572,37.694 58.776,37.694 58.877,37.795 58.877,38.1 58.877,38.405 58.979,38.506 59.182,38.506 59.284,38.405 59.284,38.1 59.284,37.795 59.385,37.694 59.588,37.694 59.69,37.795 59.69,38.1 59.69,38.413 59.792,38.515 59.995,38.515 60.096,38.413 60.096,38.1 60.096,37.795 60.198,37.694 60.401,37.694 60.503,37.795 60.503,38.1 60.503,38.405 60.604,38.506 60.808,38.506 60.909,38.405 60.909,38.1 60.909,37.795 61.011,37.694 61.214,37.694 61.316,37.795 61.316,38.1 61.316,38.405 61.417,38.506 61.62,38.506 61.722,38.405 61.722,38.1 61.722,37.795 61.824,37.694 62.027,37.694 62.128,37.795 62.128,38.1 62.128,38.405 62.23,38.506 62.433,38.506 62.535,38.405 62.535,38.1 62.535,37.795 62.636,37.694 62.84,37.694 62.941,37.795 62.941,38.1 62.941,38.405 63.043,38.506 63.246,38.506 63.348,38.405 63.348,38.1 63.348,37.795 63.449,37.694 63.652,37.694 63.754,37.795 63.754,38.1 63.754,38.405 63.856,38.506 64.059,38.506 64.16,38.405 64.16,38.1 64.16,37.795 64.262,37.694 64.465,37.694 64.567,37.795 64.567,38.1 64.567,38.405 64.668,38.506 64.872,38.506 64.973,38.405 64.973,38.1 64.973,37.795 65.075,37.694 65.278,37.694 65.38,37.795 65.38,38.1 65.38,38.405 65.481,38.506 65.684,38.506 65.786,38.405 65.786,38.1 65.786,37.795 65.888,37.694 66.091,37.694 66.192,37.795 66.192,38.1 66.192,38.405 66.294,38.506 66.497,38.506 66.599,38.405 66.599,38.1 66.599,37.795 66.7,37.694 66.904,37.694 67.005,37.795 67.005,38.1 67.005,38.405 67.107,38.506 67.31,38.506 67.412,38.405 67.412,38.1 67.412,37.795 67.513,37.694 67.716,37.694 67.818,37.795 67.818,38.1 67.818,38.405 67.92,38.506 68.123,38.506 68.224,38.405 68.224,38.1 68.224,37.795 68.326,37.694 68.529,37.694 68.631,37.795 68.631,38.1 68.631,38.405 68.732,38.506 68.936,38.506 69.037,38.405 69.037,38.1 69.037,37.795 69.139,37.694 69.342,37.694 69.444,37.795 69.494,37.846 69.596,37.846 69.698,37.948 69.698,38.379 69.799,38.481 70.002,38.481 70.104,38.379 70.104,37.846 70.104,37.795 70.206,37.694 70.409,37.694 70.51,37.795 70.561,37.846 70.739,37.846 70.942,37.846 71.349,37.846 71.628,37.846 71.831,37.846 72.136,37.846 72.238,37.948 72.238,38.435 72.339,38.537 72.542,38.537 72.644,38.435 72.644,37.846 72.644,37.795 72.746,37.694 72.949,37.694 73.05,37.795 73.05,37.846 73.05,38.027 73.152,38.129 73.355,38.129 73.457,38.027 73.457,37.846 73.457,37.795 73.558,37.694 73.762,37.694 73.863,37.795 73.863,37.846 73.863,38.024 73.965,38.125 74.168,38.125 74.27,38.024 74.27,37.948 74.371,37.846 75.057,37.846 v1(75.273,38.062)
FPC_LCD_D2: FPC1.25 U1.114 U7.36 | length 110.6
  Top Layer w0.203: U1.114@39.216,24.633 39.243,24.66 v1(39.243,27.813) ; U7.36@77.228,43.053 77.228,42.533 77.738,42.023 77.991,42.023 77.991,42.016 78.384,41.623 78.384,40.742 78.74,40.386 78.74,39.243 78.74,38.995 78.638,38.894 78.346,38.894 78.244,38.792 78.244,38.589 78.346,38.487 78.74,38.487 79.134,38.487 79.236,38.386 79.236,38.182 79.134,38.081 78.74,38.081 78.346,38.081 78.244,37.979 78.244,37.776 78.346,37.674 78.74,37.674 79.134,37.674 79.236,37.573 79.236,37.37 79.134,37.268 78.74,37.268 78.346,37.268 78.244,37.166 78.244,36.963 78.346,36.862 78.74,36.862 79.134,36.862 79.236,36.76 79.236,36.557 79.134,36.455 78.74,36.455 78.346,36.455 78.244,36.354 78.244,36.15 78.346,36.049 78.638,36.049 78.74,35.947 78.74,35.846 v1(78.74,35.306) ; U7.36@77.325,43.053 77.325,48.42 77.978,49.073 88.468,49.073 92.27,45.271 FPC1.25@94.851,45.271
  Bottom Layer w0.203: v1(39.243,27.813) 39.433,28.003 39.505,28.075 39.505,28.219 38.807,28.917 38.807,29.061 38.951,29.204 39.095,29.204 39.793,28.506 39.936,28.506 40.08,28.65 40.08,28.794 39.382,29.492 39.382,29.636 39.526,29.779 39.669,29.779 40.367,29.081 40.511,29.081 40.655,29.225 40.655,29.368 39.957,30.067 39.957,30.21 40.1,30.354 40.244,30.354 40.942,29.656 41.086,29.656 41.23,29.8 41.23,29.943 40.531,30.641 40.531,30.785 40.675,30.929 40.819,30.929 41.517,30.231 41.661,30.231 41.804,30.374 41.804,30.518 41.106,31.216 41.106,31.36 41.25,31.503 41.394,31.503 42.092,30.805 42.235,30.805 42.379,30.949 42.379,31.093 41.681,31.791 41.681,31.934 41.825,32.078 41.968,32.078 42.666,31.38 42.81,31.38 42.954,31.524 42.954,31.667 42.256,32.366 42.256,32.509 42.399,32.653 42.543,32.653 43.241,31.955 43.385,31.955 43.528,32.098 43.528,32.242 42.83,32.94 42.83,33.084 42.974,33.228 43.118,33.228 43.816,32.53 43.96,32.53 44.103,32.673 44.103,32.817 43.405,33.515 43.405,33.659 43.549,33.802 43.692,33.802 44.391,33.104 44.534,33.104 44.678,33.248 44.678,33.392 43.98,34.09 43.98,34.233 44.124,34.377 44.267,34.377 44.965,33.679 45.109,33.679 45.253,33.823 45.253,33.966 44.556,34.663 44.556,34.807 44.7,34.95 44.843,34.95 45.54,34.254 45.684,34.254 45.827,34.397 45.827,34.541 45.211,35.158 45.211,35.301 45.355,35.445 45.498,35.445 46.115,34.828 46.258,34.828 46.863,35.433 77.516,35.433 77.643,35.306 v1(78.74,35.306)